# Altium PCB PCB22.PcbDoc (part 4 of 16)
Units mm, origin at the board's own origin, x right, y up, seen from the top; angles counter-clockwise.
Board outline 233.7 x 110.51 mm, 4 copper layers (Top Layer, Layer 1, Layer 2, Bottom Layer), stack 0.603 mm thick; 1249 components, 1355 nets, 4549 pads, 1315 vias.
Unrouted connection lines stored in the file: 1569.
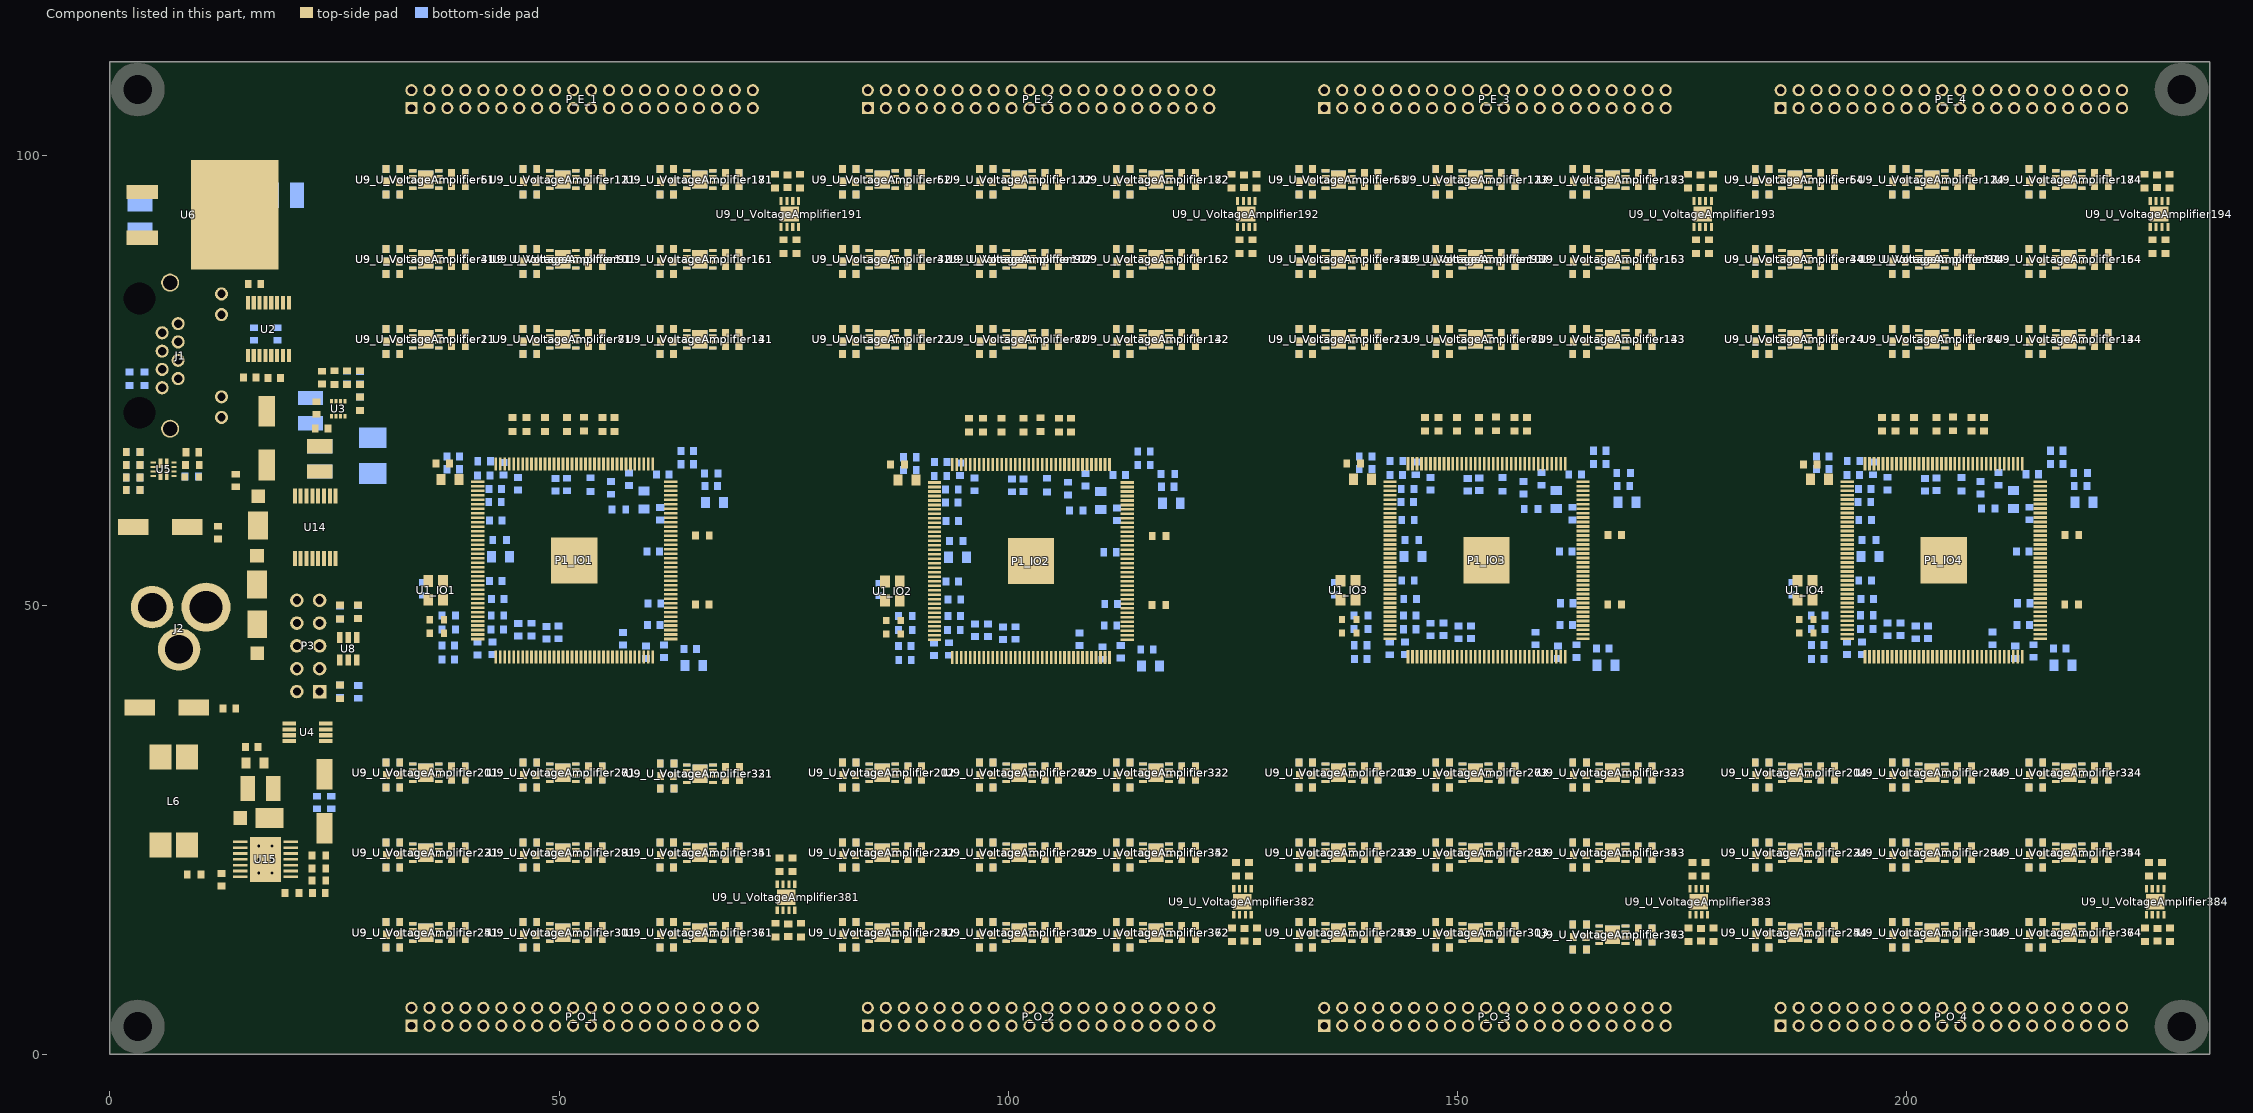
[diagram p6: the components of this part, seen from the top]

## Components (designator, comment, footprint, x,y, rotation, side; value= is the part's Value field where it differs from the comment) (continued)
R28_U_VoltageAmplifier201 "1K" 0603R 38.788,32.059 r0 top (schematic designator R28)
R28_U_VoltageAmplifier202 "1K" 0603R 89.588,32.059 r0 top (schematic designator R28)
R28_U_VoltageAmplifier203 "1K" 0603R 140.388,32.059 r0 top (schematic designator R28)
R28_U_VoltageAmplifier204 "1K" 0603R 191.188,32.059 r0 top (schematic designator R28)
R28_U_VoltageAmplifier211 "1K" 0603R 38.788,30.612 r0 bottom (schematic designator R28)
R28_U_VoltageAmplifier212 "1K" 0603R 89.588,30.612 r0 bottom (schematic designator R28)
R28_U_VoltageAmplifier213 "1K" 0603R 140.388,30.612 r0 bottom (schematic designator R28)
R28_U_VoltageAmplifier214 "1K" 0603R 191.188,30.612 r0 bottom (schematic designator R28)
R28_U_VoltageAmplifier221 "1K" 0603R 38.788,23.169 r0 top (schematic designator R28)
R28_U_VoltageAmplifier222 "1K" 0603R 89.588,23.169 r0 top (schematic designator R28)
R28_U_VoltageAmplifier223 "1K" 0603R 140.388,23.169 r0 top (schematic designator R28)
R28_U_VoltageAmplifier224 "1K" 0603R 191.188,23.169 r0 top (schematic designator R28)
R28_U_VoltageAmplifier231 "1K" 0603R 38.788,21.722 r0 bottom (schematic designator R28)
R28_U_VoltageAmplifier232 "1K" 0603R 89.588,21.722 r0 bottom (schematic designator R28)
R28_U_VoltageAmplifier233 "1K" 0603R 140.388,21.722 r0 bottom (schematic designator R28)
R28_U_VoltageAmplifier234 "1K" 0603R 191.188,21.722 r0 bottom (schematic designator R28)
R28_U_VoltageAmplifier241 "1K" 0603R 38.788,14.279 r0 top (schematic designator R28)
R28_U_VoltageAmplifier242 "1K" 0603R 89.588,14.279 r0 top (schematic designator R28)
R28_U_VoltageAmplifier243 "1K" 0603R 140.388,14.279 r0 top (schematic designator R28)
R28_U_VoltageAmplifier244 "1K" 0603R 191.188,14.279 r0 top (schematic designator R28)
R28_U_VoltageAmplifier251 "1K" 0603R 38.788,12.832 r0 bottom (schematic designator R28)
R28_U_VoltageAmplifier252 "1K" 0603R 89.588,12.832 r0 bottom (schematic designator R28)
R28_U_VoltageAmplifier253 "1K" 0603R 140.388,12.832 r0 bottom (schematic designator R28)
R28_U_VoltageAmplifier254 "1K" 0603R 191.188,12.832 r0 bottom (schematic designator R28)
R28_U_VoltageAmplifier261 "1K" 0603R 54.028,32.059 r0 top (schematic designator R28)
R28_U_VoltageAmplifier262 "1K" 0603R 104.828,32.059 r0 top (schematic designator R28)
R28_U_VoltageAmplifier263 "1K" 0603R 155.628,32.059 r0 top (schematic designator R28)
R28_U_VoltageAmplifier264 "1K" 0603R 206.428,32.059 r0 top (schematic designator R28)
R28_U_VoltageAmplifier271 "1K" 0603R 54.028,30.612 r0 bottom (schematic designator R28)
R28_U_VoltageAmplifier272 "1K" 0603R 104.828,30.612 r0 bottom (schematic designator R28)
R28_U_VoltageAmplifier273 "1K" 0603R 155.628,30.612 r0 bottom (schematic designator R28)
R28_U_VoltageAmplifier274 "1K" 0603R 206.428,30.612 r0 bottom (schematic designator R28)
R28_U_VoltageAmplifier281 "1K" 0603R 54.028,23.169 r0 top (schematic designator R28)
R28_U_VoltageAmplifier282 "1K" 0603R 104.828,23.169 r0 top (schematic designator R28)
R28_U_VoltageAmplifier283 "1K" 0603R 155.628,23.169 r0 top (schematic designator R28)
R28_U_VoltageAmplifier284 "1K" 0603R 206.428,23.169 r0 top (schematic designator R28)
R28_U_VoltageAmplifier291 "1K" 0603R 54.028,21.722 r0 bottom (schematic designator R28)
R28_U_VoltageAmplifier292 "1K" 0603R 104.828,21.722 r0 bottom (schematic designator R28)
R28_U_VoltageAmplifier293 "1K" 0603R 155.628,21.722 r0 bottom (schematic designator R28)
R28_U_VoltageAmplifier294 "1K" 0603R 206.428,21.722 r0 bottom (schematic designator R28)
R28_U_VoltageAmplifier301 "1K" 0603R 54.028,14.279 r0 top (schematic designator R28)
R28_U_VoltageAmplifier302 "1K" 0603R 104.828,14.279 r0 top (schematic designator R28)
R28_U_VoltageAmplifier303 "1K" 0603R 155.628,14.279 r0 top (schematic designator R28)
R28_U_VoltageAmplifier304 "1K" 0603R 206.428,14.279 r0 top (schematic designator R28)
R28_U_VoltageAmplifier311 "1K" 0603R 54.028,12.832 r0 bottom (schematic designator R28)
R28_U_VoltageAmplifier312 "1K" 0603R 104.828,12.832 r0 bottom (schematic designator R28)
R28_U_VoltageAmplifier313 "1K" 0603R 155.628,12.832 r0 bottom (schematic designator R28)
R28_U_VoltageAmplifier314 "1K" 0603R 206.428,12.832 r0 bottom (schematic designator R28)
R28_U_VoltageAmplifier321 "1K" 0603R 69.298,31.968 r0 top (schematic designator R28)
R28_U_VoltageAmplifier322 "1K" 0603R 120.068,32.059 r0 top (schematic designator R28)
R28_U_VoltageAmplifier323 "1K" 0603R 170.868,32.059 r0 top (schematic designator R28)
R28_U_VoltageAmplifier324 "1K" 0603R 221.668,32.059 r0 top (schematic designator R28)
R28_U_VoltageAmplifier331 "1K" 0603R 69.298,30.52 r0 bottom (schematic designator R28)
R28_U_VoltageAmplifier332 "1K" 0603R 120.068,30.612 r0 bottom (schematic designator R28)
R28_U_VoltageAmplifier333 "1K" 0603R 170.868,30.612 r0 bottom (schematic designator R28)
R28_U_VoltageAmplifier334 "1K" 0603R 221.668,30.612 r0 bottom (schematic designator R28)
R28_U_VoltageAmplifier341 "1K" 0603R 69.268,23.169 r0 top (schematic designator R28)
R28_U_VoltageAmplifier342 "1K" 0603R 120.068,23.169 r0 top (schematic designator R28)
R28_U_VoltageAmplifier343 "1K" 0603R 170.868,23.169 r0 top (schematic designator R28)
R28_U_VoltageAmplifier344 "1K" 0603R 221.668,23.169 r0 top (schematic designator R28)
R28_U_VoltageAmplifier351 "1K" 0603R 69.268,21.722 r0 bottom (schematic designator R28)
R28_U_VoltageAmplifier352 "1K" 0603R 120.068,21.722 r0 bottom (schematic designator R28)
R28_U_VoltageAmplifier353 "1K" 0603R 170.868,21.722 r0 bottom (schematic designator R28)
R28_U_VoltageAmplifier354 "1K" 0603R 221.668,21.722 r0 bottom (schematic designator R28)
R28_U_VoltageAmplifier361 "1K" 0603R 69.268,14.279 r0 top (schematic designator R28)
R28_U_VoltageAmplifier362 "1K" 0603R 120.068,14.279 r0 top (schematic designator R28)
R28_U_VoltageAmplifier363 "1K" 0603R 170.868,14.025 r0 top (schematic designator R28)
R28_U_VoltageAmplifier364 "1K" 0603R 221.668,14.279 r0 top (schematic designator R28)
R28_U_VoltageAmplifier371 "1K" 0603R 69.268,12.832 r0 bottom (schematic designator R28)
R28_U_VoltageAmplifier372 "1K" 0603R 120.068,12.832 r0 bottom (schematic designator R28)
R28_U_VoltageAmplifier373 "1K" 0603R 170.868,12.578 r0 bottom (schematic designator R28)
R28_U_VoltageAmplifier374 "1K" 0603R 221.668,12.832 r0 bottom (schematic designator R28)
R28_U_VoltageAmplifier381 "1K" 0603R 74.541,21.118 r90 top (schematic designator R28)
R28_U_VoltageAmplifier382 "1K" 0603R 125.341,20.61 r90 top (schematic designator R28)
R28_U_VoltageAmplifier383 "1K" 0603R 176.141,20.61 r90 top (schematic designator R28)
R28_U_VoltageAmplifier384 "1K" 0603R 226.941,20.61 r90 top (schematic designator R28)
R29_U_VoltageAmplifier11 "160R" 0603R 31.498,80.751 r0 top (schematic designator R29)
R29_U_VoltageAmplifier12 "160R" 0603R 82.298,80.751 r0 top (schematic designator R29)
R29_U_VoltageAmplifier13 "160R" 0603R 133.098,80.751 r0 top (schematic designator R29)
R29_U_VoltageAmplifier14 "160R" 0603R 183.898,80.751 r0 top (schematic designator R29)
R29_U_VoltageAmplifier21 "160R" 0603R 31.498,77.957 r0 bottom (schematic designator R29)
R29_U_VoltageAmplifier22 "160R" 0603R 82.298,77.957 r0 bottom (schematic designator R29)
R29_U_VoltageAmplifier23 "160R" 0603R 133.098,77.957 r0 bottom (schematic designator R29)
R29_U_VoltageAmplifier24 "160R" 0603R 183.898,77.957 r0 bottom (schematic designator R29)
R29_U_VoltageAmplifier31 "160R" 0603R 31.498,89.641 r0 top (schematic designator R29)
R29_U_VoltageAmplifier32 "160R" 0603R 82.298,89.641 r0 top (schematic designator R29)
R29_U_VoltageAmplifier33 "160R" 0603R 133.098,89.641 r0 top (schematic designator R29)
R29_U_VoltageAmplifier34 "160R" 0603R 183.898,89.641 r0 top (schematic designator R29)
R29_U_VoltageAmplifier41 "160R" 0603R 31.498,86.847 r0 bottom (schematic designator R29)
R29_U_VoltageAmplifier42 "160R" 0603R 82.298,86.847 r0 bottom (schematic designator R29)
R29_U_VoltageAmplifier43 "160R" 0603R 133.098,86.847 r0 bottom (schematic designator R29)
R29_U_VoltageAmplifier44 "160R" 0603R 183.898,86.847 r0 bottom (schematic designator R29)
R29_U_VoltageAmplifier51 "160R" 0603R 31.498,98.531 r0 top (schematic designator R29)
R29_U_VoltageAmplifier52 "160R" 0603R 82.298,98.531 r0 top (schematic designator R29)
R29_U_VoltageAmplifier53 "160R" 0603R 133.098,98.531 r0 top (schematic designator R29)
R29_U_VoltageAmplifier54 "160R" 0603R 183.898,98.531 r0 top (schematic designator R29)
R29_U_VoltageAmplifier61 "160R" 0603R 31.498,95.737 r0 bottom (schematic designator R29)
R29_U_VoltageAmplifier62 "160R" 0603R 82.298,95.737 r0 bottom (schematic designator R29)
R29_U_VoltageAmplifier63 "160R" 0603R 133.098,95.737 r0 bottom (schematic designator R29)
R29_U_VoltageAmplifier64 "160R" 0603R 183.898,95.737 r0 bottom (schematic designator R29)
R29_U_VoltageAmplifier71 "160R" 0603R 46.738,80.751 r0 top (schematic designator R29)
R29_U_VoltageAmplifier72 "160R" 0603R 97.538,80.751 r0 top (schematic designator R29)
R29_U_VoltageAmplifier73 "160R" 0603R 148.338,80.751 r0 top (schematic designator R29)
R29_U_VoltageAmplifier74 "160R" 0603R 199.138,80.751 r0 top (schematic designator R29)
R29_U_VoltageAmplifier81 "160R" 0603R 46.738,77.957 r0 bottom (schematic designator R29)
R29_U_VoltageAmplifier82 "160R" 0603R 97.538,77.957 r0 bottom (schematic designator R29)
R29_U_VoltageAmplifier83 "160R" 0603R 148.338,77.957 r0 bottom (schematic designator R29)
R29_U_VoltageAmplifier84 "160R" 0603R 199.138,77.957 r0 bottom (schematic designator R29)
R29_U_VoltageAmplifier91 "160R" 0603R 46.738,89.641 r0 top (schematic designator R29)
R29_U_VoltageAmplifier92 "160R" 0603R 97.538,89.641 r0 top (schematic designator R29)
R29_U_VoltageAmplifier93 "160R" 0603R 148.338,89.641 r0 top (schematic designator R29)
R29_U_VoltageAmplifier94 "160R" 0603R 199.138,89.641 r0 top (schematic designator R29)
R29_U_VoltageAmplifier101 "160R" 0603R 46.738,86.847 r0 bottom (schematic designator R29)
R29_U_VoltageAmplifier102 "160R" 0603R 97.538,86.847 r0 bottom (schematic designator R29)
R29_U_VoltageAmplifier103 "160R" 0603R 148.338,86.847 r0 bottom (schematic designator R29)
R29_U_VoltageAmplifier104 "160R" 0603R 199.138,86.847 r0 bottom (schematic designator R29)
R29_U_VoltageAmplifier111 "160R" 0603R 46.738,98.531 r0 top (schematic designator R29)
R29_U_VoltageAmplifier112 "160R" 0603R 97.538,98.531 r0 top (schematic designator R29)
R29_U_VoltageAmplifier113 "160R" 0603R 148.338,98.531 r0 top (schematic designator R29)
R29_U_VoltageAmplifier114 "160R" 0603R 199.138,98.531 r0 top (schematic designator R29)
R29_U_VoltageAmplifier121 "160R" 0603R 46.738,95.737 r0 bottom (schematic designator R29)
R29_U_VoltageAmplifier122 "160R" 0603R 97.538,95.737 r0 bottom (schematic designator R29)
R29_U_VoltageAmplifier123 "160R" 0603R 148.338,95.737 r0 bottom (schematic designator R29)
R29_U_VoltageAmplifier124 "160R" 0603R 199.138,95.737 r0 bottom (schematic designator R29)
R29_U_VoltageAmplifier131 "160R" 0603R 61.978,80.751 r0 top (schematic designator R29)
R29_U_VoltageAmplifier132 "160R" 0603R 112.778,80.751 r0 top (schematic designator R29)
R29_U_VoltageAmplifier133 "160R" 0603R 163.578,80.751 r0 top (schematic designator R29)
R29_U_VoltageAmplifier134 "160R" 0603R 214.378,80.751 r0 top (schematic designator R29)
R29_U_VoltageAmplifier141 "160R" 0603R 61.978,77.957 r0 bottom (schematic designator R29)
R29_U_VoltageAmplifier142 "160R" 0603R 112.778,77.957 r0 bottom (schematic designator R29)
R29_U_VoltageAmplifier143 "160R" 0603R 163.578,77.957 r0 bottom (schematic designator R29)
R29_U_VoltageAmplifier144 "160R" 0603R 214.378,77.957 r0 bottom (schematic designator R29)
R29_U_VoltageAmplifier151 "160R" 0603R 61.978,89.641 r0 top (schematic designator R29)
R29_U_VoltageAmplifier152 "160R" 0603R 112.778,89.641 r0 top (schematic designator R29)
R29_U_VoltageAmplifier153 "160R" 0603R 163.578,89.641 r0 top (schematic designator R29)
R29_U_VoltageAmplifier154 "160R" 0603R 214.378,89.641 r0 top (schematic designator R29)
R29_U_VoltageAmplifier161 "160R" 0603R 61.978,86.847 r0 bottom (schematic designator R29)
R29_U_VoltageAmplifier162 "160R" 0603R 112.778,86.847 r0 bottom (schematic designator R29)
R29_U_VoltageAmplifier163 "160R" 0603R 163.578,86.847 r0 bottom (schematic designator R29)
R29_U_VoltageAmplifier164 "160R" 0603R 214.378,86.847 r0 bottom (schematic designator R29)
R29_U_VoltageAmplifier171 "160R" 0603R 61.978,98.531 r0 top (schematic designator R29)
R29_U_VoltageAmplifier172 "160R" 0603R 112.778,98.531 r0 top (schematic designator R29)
R29_U_VoltageAmplifier173 "160R" 0603R 163.578,98.531 r0 top (schematic designator R29)
R29_U_VoltageAmplifier174 "160R" 0603R 214.378,98.531 r0 top (schematic designator R29)
R29_U_VoltageAmplifier181 "160R" 0603R 61.978,95.737 r0 bottom (schematic designator R29)
R29_U_VoltageAmplifier182 "160R" 0603R 112.778,95.737 r0 bottom (schematic designator R29)
R29_U_VoltageAmplifier183 "160R" 0603R 163.578,95.737 r0 bottom (schematic designator R29)
R29_U_VoltageAmplifier184 "160R" 0603R 214.378,95.737 r0 bottom (schematic designator R29)
R29_U_VoltageAmplifier191 "160R" 0603R 76.831,97.2 r270 top (schematic designator R29)
R29_U_VoltageAmplifier192 "160R" 0603R 127.631,97.2 r270 top (schematic designator R29)
R29_U_VoltageAmplifier193 "160R" 0603R 178.431,97.2 r270 top (schematic designator R29)
R29_U_VoltageAmplifier194 "160R" 0603R 229.231,97.2 r270 top (schematic designator R29)
R29_U_VoltageAmplifier201 "160R" 0603R 31.498,32.491 r0 top (schematic designator R29)
R29_U_VoltageAmplifier202 "160R" 0603R 82.298,32.491 r0 top (schematic designator R29)
R29_U_VoltageAmplifier203 "160R" 0603R 133.098,32.491 r0 top (schematic designator R29)
R29_U_VoltageAmplifier204 "160R" 0603R 183.898,32.491 r0 top (schematic designator R29)
R29_U_VoltageAmplifier211 "160R" 0603R 31.498,29.697 r0 bottom (schematic designator R29)
R29_U_VoltageAmplifier212 "160R" 0603R 82.298,29.697 r0 bottom (schematic designator R29)
R29_U_VoltageAmplifier213 "160R" 0603R 133.098,29.697 r0 bottom (schematic designator R29)
R29_U_VoltageAmplifier214 "160R" 0603R 183.898,29.697 r0 bottom (schematic designator R29)
R29_U_VoltageAmplifier221 "160R" 0603R 31.498,23.601 r0 top (schematic designator R29)
R29_U_VoltageAmplifier222 "160R" 0603R 82.298,23.601 r0 top (schematic designator R29)
R29_U_VoltageAmplifier223 "160R" 0603R 133.098,23.601 r0 top (schematic designator R29)
R29_U_VoltageAmplifier224 "160R" 0603R 183.898,23.601 r0 top (schematic designator R29)
R29_U_VoltageAmplifier231 "160R" 0603R 31.498,20.807 r0 bottom (schematic designator R29)
R29_U_VoltageAmplifier232 "160R" 0603R 82.298,20.807 r0 bottom (schematic designator R29)
R29_U_VoltageAmplifier233 "160R" 0603R 133.098,20.807 r0 bottom (schematic designator R29)
R29_U_VoltageAmplifier234 "160R" 0603R 183.898,20.807 r0 bottom (schematic designator R29)
R29_U_VoltageAmplifier241 "160R" 0603R 31.498,14.711 r0 top (schematic designator R29)
R29_U_VoltageAmplifier242 "160R" 0603R 82.298,14.711 r0 top (schematic designator R29)
R29_U_VoltageAmplifier243 "160R" 0603R 133.098,14.711 r0 top (schematic designator R29)
R29_U_VoltageAmplifier244 "160R" 0603R 183.898,14.711 r0 top (schematic designator R29)
R29_U_VoltageAmplifier251 "160R" 0603R 31.498,11.917 r0 bottom (schematic designator R29)
R29_U_VoltageAmplifier252 "160R" 0603R 82.298,11.917 r0 bottom (schematic designator R29)
R29_U_VoltageAmplifier253 "160R" 0603R 133.098,11.917 r0 bottom (schematic designator R29)
R29_U_VoltageAmplifier254 "160R" 0603R 183.898,11.917 r0 bottom (schematic designator R29)
R29_U_VoltageAmplifier261 "160R" 0603R 46.738,32.491 r0 top (schematic designator R29)
R29_U_VoltageAmplifier262 "160R" 0603R 97.538,32.491 r0 top (schematic designator R29)
R29_U_VoltageAmplifier263 "160R" 0603R 148.338,32.491 r0 top (schematic designator R29)
R29_U_VoltageAmplifier264 "160R" 0603R 199.138,32.491 r0 top (schematic designator R29)
R29_U_VoltageAmplifier271 "160R" 0603R 46.738,29.697 r0 bottom (schematic designator R29)
R29_U_VoltageAmplifier272 "160R" 0603R 97.538,29.697 r0 bottom (schematic designator R29)
R29_U_VoltageAmplifier273 "160R" 0603R 148.338,29.697 r0 bottom (schematic designator R29)
R29_U_VoltageAmplifier274 "160R" 0603R 199.138,29.697 r0 bottom (schematic designator R29)
R29_U_VoltageAmplifier281 "160R" 0603R 46.738,23.601 r0 top (schematic designator R29)
R29_U_VoltageAmplifier282 "160R" 0603R 97.538,23.601 r0 top (schematic designator R29)
R29_U_VoltageAmplifier283 "160R" 0603R 148.338,23.601 r0 top (schematic designator R29)
R29_U_VoltageAmplifier284 "160R" 0603R 199.138,23.601 r0 top (schematic designator R29)
R29_U_VoltageAmplifier291 "160R" 0603R 46.738,20.807 r0 bottom (schematic designator R29)
R29_U_VoltageAmplifier292 "160R" 0603R 97.538,20.807 r0 bottom (schematic designator R29)
R29_U_VoltageAmplifier293 "160R" 0603R 148.338,20.807 r0 bottom (schematic designator R29)
R29_U_VoltageAmplifier294 "160R" 0603R 199.138,20.807 r0 bottom (schematic designator R29)
R29_U_VoltageAmplifier301 "160R" 0603R 46.738,14.711 r0 top (schematic designator R29)
R29_U_VoltageAmplifier302 "160R" 0603R 97.538,14.711 r0 top (schematic designator R29)
R29_U_VoltageAmplifier303 "160R" 0603R 148.338,14.711 r0 top (schematic designator R29)
R29_U_VoltageAmplifier304 "160R" 0603R 199.138,14.711 r0 top (schematic designator R29)
R29_U_VoltageAmplifier311 "160R" 0603R 46.738,11.917 r0 bottom (schematic designator R29)
R29_U_VoltageAmplifier312 "160R" 0603R 97.538,11.917 r0 bottom (schematic designator R29)
R29_U_VoltageAmplifier313 "160R" 0603R 148.338,11.917 r0 bottom (schematic designator R29)
R29_U_VoltageAmplifier314 "160R" 0603R 199.138,11.917 r0 bottom (schematic designator R29)
R29_U_VoltageAmplifier321 "160R" 0603R 62.008,32.4 r0 top (schematic designator R29)
R29_U_VoltageAmplifier322 "160R" 0603R 112.778,32.491 r0 top (schematic designator R29)
R29_U_VoltageAmplifier323 "160R" 0603R 163.578,32.491 r0 top (schematic designator R29)
R29_U_VoltageAmplifier324 "160R" 0603R 214.378,32.491 r0 top (schematic designator R29)
R29_U_VoltageAmplifier331 "160R" 0603R 62.008,29.606 r0 bottom (schematic designator R29)
R29_U_VoltageAmplifier332 "160R" 0603R 112.778,29.697 r0 bottom (schematic designator R29)
R29_U_VoltageAmplifier333 "160R" 0603R 163.578,29.697 r0 bottom (schematic designator R29)
R29_U_VoltageAmplifier334 "160R" 0603R 214.378,29.697 r0 bottom (schematic designator R29)
R29_U_VoltageAmplifier341 "160R" 0603R 61.978,23.601 r0 top (schematic designator R29)
R29_U_VoltageAmplifier342 "160R" 0603R 112.778,23.601 r0 top (schematic designator R29)
R29_U_VoltageAmplifier343 "160R" 0603R 163.578,23.601 r0 top (schematic designator R29)
R29_U_VoltageAmplifier344 "160R" 0603R 214.378,23.601 r0 top (schematic designator R29)
R29_U_VoltageAmplifier351 "160R" 0603R 61.978,20.807 r0 bottom (schematic designator R29)
R29_U_VoltageAmplifier352 "160R" 0603R 112.778,20.807 r0 bottom (schematic designator R29)
R29_U_VoltageAmplifier353 "160R" 0603R 163.578,20.807 r0 bottom (schematic designator R29)
R29_U_VoltageAmplifier354 "160R" 0603R 214.378,20.807 r0 bottom (schematic designator R29)
R29_U_VoltageAmplifier361 "160R" 0603R 61.978,14.711 r0 top (schematic designator R29)
R29_U_VoltageAmplifier362 "160R" 0603R 112.778,14.711 r0 top (schematic designator R29)
R29_U_VoltageAmplifier363 "160R" 0603R 163.578,14.457 r0 top (schematic designator R29)
R29_U_VoltageAmplifier364 "160R" 0603R 214.378,14.711 r0 top (schematic designator R29)
R29_U_VoltageAmplifier371 "160R" 0603R 61.978,11.917 r0 bottom (schematic designator R29)
R29_U_VoltageAmplifier372 "160R" 0603R 112.778,11.917 r0 bottom (schematic designator R29)
R29_U_VoltageAmplifier373 "160R" 0603R 163.578,11.663 r0 bottom (schematic designator R29)
R29_U_VoltageAmplifier374 "160R" 0603R 214.378,11.917 r0 bottom (schematic designator R29)
R29_U_VoltageAmplifier381 "160R" 0603R 74.109,13.828 r90 top (schematic designator R29)
R29_U_VoltageAmplifier382 "160R" 0603R 124.909,13.32 r90 top (schematic designator R29)
R29_U_VoltageAmplifier383 "160R" 0603R 175.709,13.32 r90 top (schematic designator R29)
R29_U_VoltageAmplifier384 "160R" 0603R 226.509,13.32 r90 top (schematic designator R29)
R30 "10K" 0603R 107.565,60.566 r180 bottom
R31 "10K" 0603R 155.005,63.453 r270 bottom
R32 "10K" 0603R 158.188,60.68 r0 bottom
R33 "10K" 0603R 206.097,63.457 r270 bottom
R34 "10K" 0603R 209.077,60.739 r180 bottom
R35 "13K" 0603R 2.586,64.207 r180 top
R36 "40.2K" 0603R 2.586,62.796 r0 top
R37 "2K" 0603R 9.1,64.3 r180 bottom
R38 "1K" 0603R 2.586,64.207 r180 bottom
R39 "13K" 0603R 2.586,62.796 r0 bottom
R40 "20K" 0603R 9.185,65.617 r180 top
R41 "13K" 0603R 2.586,65.617 r180 top
R42 "40.2K" 0603R 2.586,67.028 r0 top
R43 "1K" 0603R 2.586,65.617 r180 bottom
R44 "10K" 0603R 2.586,67.028 r0 bottom
R45 "330K" 0603R 23.26,20.718 r0 top
R46 "10K" 0603R 2.191,75.207 r270 bottom
R47 "5.23K" 0603R 20.263,17.983 r0 top
R48 "86.6K" 0603R 23.253,22.131 r0 top
R49 "1K" 0603R 3.847,75.207 r270 bottom
U1_IO1 "OSC-25" ASE-25.000MHZ-LC-T 36.257,51.646 r270 top value=25MHZ (schematic designator U1)